# KiCad board redherring.kicad_pcb (continued)
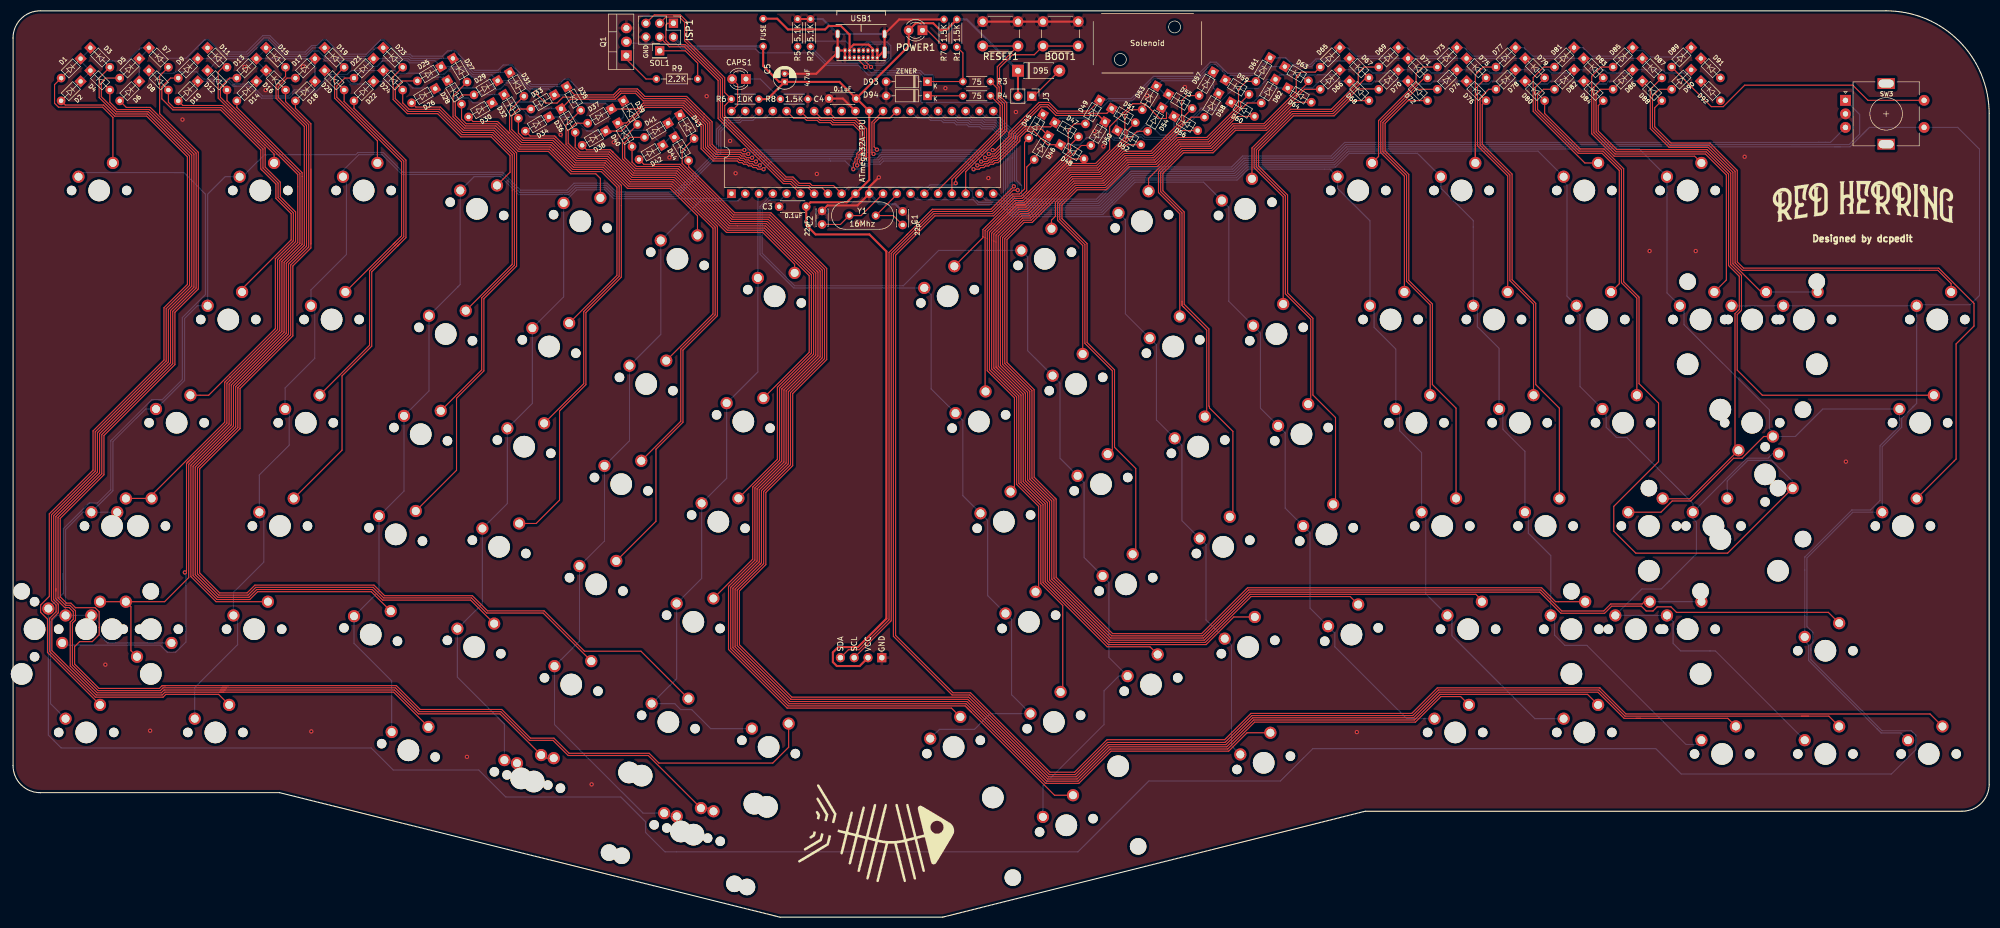
[diagram p0: board, top side]
## Nets
+5V: C3.1 C4.1 C5.1 D95.1 F1.1 ISP1.2 J2.2 J3.2 POWER1.2 R1.1 R6.1 U1.10 U1.30
GND: BOOT1.1 C1.1 C2.1 C3.2 C4.2 C5.2 D93.2 D94.2 ISP1.6 J2.1 Q1.3 R2.1 R5.1 R7.2 R8.2 RESET1.1 SW3.C U1.11 U1.31 USB1.A1 USB1.A12 USB1.B1 USB1.B12 USB1.S1
VCC: F1.2 USB1.A4 USB1.A9 USB1.B4 USB1.B9
boot: BOOT1.2 U1.18
CAPSLOCK: CAPS1.2 U1.40
COL0: MX101.1 MX201.1 MX301.1 MX401.1 MX401.125.1 MX501.1 MX501.175.1 MX501.225.1 MX601.1 U1.39
COL1: MX102.1 MX202.1 MX302.1 MX402.1 MX502.1 MX602.1 U1.38
COL2: MX103.1 MX203.1 MX303.1 MX403.1 MX503.1 MX603.1 U1.37
COL3: MX104.1 MX204.1 MX304.1 MX404.1 MX504.1 MX604.1 MX604.1.1 U1.1
COL4: MX105.1 MX205.1 MX305.1 MX405.1 MX505.1 MX605.1 MX605.225.1 U1.2
COL5: MX106.1 MX206.1 MX306.1 MX406.1 MX506.1 MX606.1 U1.3
COL6: MX107.1 MX207.1 MX307.1 MX407.1 MX507.1 MX607.1 U1.4
COL7: MX108.1 MX208.1 MX308.1 MX408.1 MX508.1 MX608.1 U1.5
COL8: MX109.1 MX209.1 MX309.1 MX409.1 MX509.1 MX609.1 U1.14
COL9: MX110.1 MX210.1 MX310.1 MX410.1 MX510.1 MX610.1 U1.15
COL10: MX111.1 MX211.1 MX311.1 MX411.1 MX511.1 MX611.1 U1.19
COL11: MX112.1 MX212.1 MX312.1 MX412.1 MX512.1 MX612.1 U1.20
COL12: MX113.1 MX213.1 MX313.1 MX413.1 MX413.225.1 MX513.1 MX513.225.1 MX613.1 U1.27
COL13: MX114.1 MX214.1 MX314.1 MX314.150.1 MX414.1 MX514.1 MX614.1 U1.26
COL14: MX215.1 MX215.2.1 MX315.1 MX415.1 MX615.1 SW3.S1 U1.25
D+: R4.1 U1.16
D-: R3.1 U1.17
EN1: SW3.A U1.24
EN2: SW3.B U1.21
MISO: ISP1.1 U1.7
MOSI: ISP1.4 U1.6
reset: ISP1.5 R6.2 RESET1.2 U1.9
ROW0: D11.1 D19.1 D23.1 D27.1 D31.1 D35.1 D49.1 D61.1 D65.1 D69.1 D73.1 D77.1 D81.1 D85.1 D89.1 U1.28
ROW1: D9.1 D21.1 D25.1 D29.1 D33.1 D37.1 D47.1 D59.1 D63.1 D67.1 D71.1 D75.1 D79.1 D83.1 D87.1 U1.34
ROW2: D8.1 D20.1 D24.1 D28.1 D32.1 D36.1 D50.1 D62.1 D66.1 D70.1 D74.1 D78.1 D82.1 D86.1 D90.1 U1.33
ROW3: D10.1 D22.1 D26.1 D30.1 D34.1 D38.1 D48.1 D60.1 D64.1 D68.1 D72.1 D76.1 D80.1 D84.1 D88.1 U1.36
ROW4: D12.1 D13.1 D14.1 D15.1 D16.1 D17.1 D18.1 D51.1 D52.1 D53.1 D54.1 D55.1 D56.1 D57.1 D58.1 U1.29
ROW5: D1.1 D2.1 D3.1 D4.1 D5.1 D6.1 D7.1 D39.1 D40.1 D41.1 D42.1 D43.1 D44.1 D45.1 D46.1 U1.35
SCK: ISP1.3 U1.8
SCL: J2.3 U1.22
SDA: J2.4 U1.23
Net-(C1-Pad2): C1.2 U1.13 Y1.1
Net-(C2-Pad2): C2.2 U1.12 Y1.2
Net-(CAPS1-Pad1): CAPS1.1 R8.1
Net-(D1-Pad2): D1.2 MX615.2
Net-(D2-Pad2): D2.2 MX601.2
Net-(D3-Pad2): D3.2 MX602.2
Net-(D4-Pad2): D4.2 MX604.2 MX604.1.2
Net-(D5-Pad2): D5.2 MX603.2
Net-(D6-Pad2): D6.2 MX605.2 MX605.225.2
Net-(D7-Pad2): D7.2 MX606.2
Net-(D8-Pad2): D8.2 MX301.2
Net-(D9-Pad2): D9.2 MX201.2
Net-(D10-Pad2): D10.2 MX401.2 MX401.125.2
Net-(D11-Pad2): D11.2 MX101.2
Net-(D12-Pad2): D12.2 MX501.2 MX501.175.2 MX501.225.2
Net-(D13-Pad2): D13.2
Net-(D14-Pad2): D14.2 MX502.2
Net-(D15-Pad2): D15.2 MX503.2
Net-(D16-Pad2): D16.2 MX505.2
Net-(D17-Pad2): D17.2 MX504.2
Net-(D18-Pad2): D18.2 MX506.2
Net-(D19-Pad2): D19.2 MX102.2
Net-(D20-Pad2): D20.2 MX302.2
Net-(D21-Pad2): D21.2 MX202.2
Net-(D22-Pad2): D22.2 MX402.2
Net-(D23-Pad2): D23.2 MX103.2
Net-(D24-Pad2): D24.2 MX303.2
Net-(D25-Pad2): D25.2 MX203.2
Net-(D26-Pad2): D26.2 MX403.2
Net-(D27-Pad2): D27.2 MX104.2
Net-(D28-Pad2): D28.2 MX304.2
Net-(D29-Pad2): D29.2 MX204.2
Net-(D30-Pad2): D30.2 MX404.2
Net-(D31-Pad2): D31.2 MX105.2
Net-(D32-Pad2): D32.2 MX305.2
Net-(D33-Pad2): D33.2 MX205.2
Net-(D34-Pad2): D34.2 MX405.2
Net-(D35-Pad2): D35.2 MX106.2
Net-(D36-Pad2): D36.2 MX306.2
Net-(D37-Pad2): D37.2 MX206.2
Net-(D38-Pad2): D38.2 MX406.2
Net-(D39-Pad2): D39.2 MX607.2
Net-(D40-Pad2): D40.2 MX609.2
Net-(D41-Pad2): D41.2 MX608.2
Net-(D42-Pad2): D42.2 MX610.2
Net-(D43-Pad2): D43.2 MX611.2
Net-(D44-Pad2): D44.2 MX612.2
Net-(D45-Pad2): D45.2 MX613.2
Net-(D46-Pad2): D46.2 MX614.2
Net-(D47-Pad2): D47.2 MX207.2
Net-(D48-Pad2): D48.2 MX407.2
Net-(D49-Pad2): D49.2 MX107.2
Net-(D50-Pad2): D50.2 MX307.2
Net-(D51-Pad2): D51.2 MX508.2
Net-(D52-Pad2): D52.2 MX510.2
Net-(D53-Pad2): D53.2 MX507.2
Net-(D54-Pad2): D54.2 MX509.2
Net-(D55-Pad2): D55.2 MX514.2
Net-(D56-Pad2): D56.2 MX512.2
Net-(D57-Pad2): D57.2 MX511.2
Net-(D58-Pad2): D58.2 MX513.2 MX513.225.2
Net-(D59-Pad2): D59.2 MX208.2
Net-(D60-Pad2): D60.2 MX408.2
Net-(D61-Pad2): D61.2 MX108.2
Net-(D62-Pad2): D62.2 MX308.2
Net-(D63-Pad2): D63.2 MX209.2
Net-(D64-Pad2): D64.2 MX409.2
Net-(D65-Pad2): D65.2 MX109.2
Net-(D66-Pad2): D66.2 MX309.2
Net-(D67-Pad2): D67.2 MX210.2
Net-(D68-Pad2): D68.2 MX410.2
Net-(D69-Pad2): D69.2 MX110.2
Net-(D70-Pad2): D70.2 MX310.2
Net-(D71-Pad2): D71.2 MX211.2
Net-(D72-Pad2): D72.2 MX411.2
Net-(D73-Pad2): D73.2 MX111.2
Net-(D74-Pad2): D74.2 MX311.2
Net-(D75-Pad2): D75.2 MX212.2
Net-(D76-Pad2): D76.2 MX412.2
Net-(D77-Pad2): D77.2 MX112.2
Net-(D78-Pad2): D78.2 MX312.2
Net-(D79-Pad2): D79.2 MX213.2
Net-(D80-Pad2): D80.2 MX413.2 MX413.225.2
Net-(D81-Pad2): D81.2 MX113.2
Net-(D82-Pad2): D82.2 MX313.2
Net-(D83-Pad2): D83.2 MX214.2
Net-(D84-Pad2): D84.2 MX414.2
Net-(D85-Pad2): D85.2 MX114.2
Net-(D86-Pad2): D86.2 MX314.2 MX314.150.2
Net-(D87-Pad2): D87.2 MX215.2 MX215.2.2
Net-(D88-Pad2): D88.2 MX415.2
Net-(D89-Pad2): D89.2 SW3.S2
Net-(D90-Pad2): D90.2 MX315.2
Net-(D93-Pad1): D93.1 R1.2 R3.2 USB1.A7 USB1.B7
Net-(D94-Pad1): D94.1 R4.2 USB1.A6 USB1.B6
Net-(D95-Pad2): D95.2 J3.1 Q1.2
Net-(POWER1-Pad1): POWER1.1 R7.1
Net-(Q1-Pad1): Q1.1 R9.1
Net-(R2-Pad2): R2.2 USB1.A5
Net-(R5-Pad2): R5.2 USB1.B5
Net-(R9-Pad2): R9.2 SOL1.1

Pads without a net: D91 1 2; D92 1 2; MX515 1 2; SW3 MP; U1 32; USB1 A8 B8

## Via types
v1: diameter 0.8, hole 0.4, Top to Bottom, 56 vias

## Routing (per net, layer and track width the routed paths; a pad name or vN(x,y) marks a point on that pad's centre or on a via; arc(x,y) is an arc through that point)
+5V: length 234.1
  Top w0.381: R6.1 139.1,150.97 C5.1 ; J2.2 156.1,46.34 151.89,46.34 151.16,47.07 151.16,48.85 152.15,49.84 155.79,49.84 161.02,55.08 161.02,122.86 157.9,125.99 147.97,125.99 146.25,127.71 C3.1 147.05,131.92 153.75,131.92 U1.10 157.87,136.04 U1.30 155.55,151.06 C4.1 ; C5.1 152.38,154.14 C4.1 ; C5.1 141.25,154.14 138.31,157.08 F1.1 ; C4.1 165.14,160.75 POWER1.2 166.43,164.96 169.68,164.96 170.94,163.69 172.05,163.69 R1.1 ; D95.1 J3.2
  Bottom w0.381: D95.1 185.29,156.22 175.85,165.67 R1.1 ; ISP1.2 123.49,160.69 F1.1 ; U1.10 155.96,132.88
GND: length 98.9
  Top w0.381: C4.2 153.01,151.06 U1.31 ; v1(159.64,136.51) 157.87,134.74 U1.11 155.71,131.34 150.18,131.34 C2.1 ; C5.2 148.1,155.64 USB1.S1 ; 151.82,163.2 USB1.S1 USB1.S1 ; USB1.S1 152.39,159.94 USB1.B1 153.39,158.62 USB1.A12 ; R5.1 R2.1 ; R7.2 163.39,165.67 USB1.S1 USB1.S1 160.32,159.59 USB1.A1 USB1.B12 ; BOOT1.1 BOOT1.1 RESET1.1 RESET1.1
  Bottom w0.381: U1.11 159.81,131.56 162.7,131.56 C1.1 ; 171.49,165.51 R7.2 ; USB1.S1 USB1.S1 ; USB1.S1 151.82,163.2 ; USB1.S1 149.28,165.74 R2.1
  vias: v1(17.02,46.6) v1(25.27,34.4) v1(31.24,147.18) v1(42.7,156.88) v1(46.56,152.62) v1(53.44,156.99) v1(54.99,34.28) v1(83.69,29.58) v1(100.97,144.39) v1(106.68,24.5) v1(110.74,142.99) v1(121.03,140.2) v1(127.89,151.5) v1(132.21,143.24) v1(133.22,137.28) v1(148.21,137.15) v1(156.34,128) v1(171.91,152.97) v1(179.83,136.39) v1(184.91,148.58) v1(191.26,140.45) v1(199.39,145.07) v1(201.04,142.23) v1(209.09,151.63) v1(216.08,153.18) v1(247.78,34.15) v1(301.75,122.92) v1(310.26,122.92) v1(319.28,140.32) v1(337.95,84.06)
VCC: length 28.8
  Top w0.381: USB1.A9 154.24,158.62 USB1.B4 ; USB1.A4 158.49,158.62 USB1.B9 158.49,160.27 157.94,160.83 157.93,160.83 157.73,161.02 154.99,161.02 154.24,160.27 USB1.B4 ; USB1.B4 154.24,162.87 152.65,164.45 150.37,164.45 149.73,163.82 142.88,163.82 140.9,165.79 F1.2
boot: length 43.1
  Top w0.203: U1.18 175.65,137.56 183.22,145.13 183.22,150.28 182.23,151.27 182.23,153.33 181.89,153.68 181.89,156.73 184.3,159.14 188.29,159.14 BOOT1.2 BOOT1.2
CAPSLOCK: length 6.8
  Top w0.203: U1.40 133.6,149.88 133.6,153.66 CAPS1.2
COL0: length 259.6
  Bottom w0.203: MX501.225.1 9.68,61.11 ; MX501.225.1 MX501.175.1 15.96,54.16 15.96,52.04 17.4,50.6 MX501.1 ; MX501.225.1 8.09,55.68 6.91,54.5 6.91,51.73 ; MX601.1 6.91,39.4 6.91,51.73 ; 66.97,141.11 66.65,141.11 ; 66.65,141.11 63.59,141.11 63.18,140.7 46.74,140.7 ; 66.65,141.11 68.25,141.11 71.88,137.48 71.88,137.46 71.9,137.45 90.25,137.45 ; 6.91,51.73 6.91,52.49 ; 90.87,136.83 90.25,137.45 ; 90.87,136.83 93.55,134.14 102.15,134.14 103.45,135.44 109.59,135.44 111.22,133.81 122.14,133.81 129.69,141.36 129.69,145.39 131.73,147.44 133.7,147.44 U1.39 ; 90.87,136.83 90.25,137.45 ; 46.35,140.7 46.74,140.7 ; 46.35,140.7 42.29,136.64 MX101.1 39.1,136.64 35.88,133.42 MX201.1 33.97,112.83 31.62,110.48 31.62,99.05 MX301.1 24.45,93.78 18.41,87.75 18.41,78.7 MX401.125.1 ; 46.35,140.7 46.74,140.7 ; 9.68,61.11 9.68,71.51 12.91,74.73 MX401.125.1 ; 9.68,61.11 9.68,60.44 ; 19.18,74.73 MX401.125.1
COL1: length 206.3
  Bottom w0.203: U1.38 136.24,147.44 134.27,147.44 133.87,147.03 131.9,147.03 130.09,145.23 130.09,141.19 122.3,133.4 111.06,133.4 109.43,135.03 103.61,135.03 102.32,133.74 93.39,133.74 90.08,137.04 71.73,137.04 68.07,140.7 63.75,140.7 60.83,137.78 MX102.1 61.47,136 61.47,122.29 54.93,115.75 MX202.1 55.63,112.13 55.63,103.11 50.16,97.65 MX302.1 50.93,93.02 50.93,87.11 45.4,81.59 MX402.1 46.23,73.9 46.23,65.52 40.64,59.93 MX502.1 41.4,54.92 41.4,50.28 33.5,42.37 MX602.1
COL2: length 181.3
  Bottom w0.203: 82.03,116.33 82.46,116.75 MX103.1 85,136.64 89.92,136.64 93.22,133.34 102.49,133.34 103.78,134.63 109.26,134.63 110.89,133 122.47,133 130.5,141.03 130.5,145.06 132.06,146.63 134.03,146.63 134.44,147.03 136.41,147.03 136.81,147.44 138.78,147.44 U1.37 ; 82.03,116.33 82.17,116.46 ; 82.03,116.33 MX203.1 76.7,97.12 MX303.1 72.09,78.63 MX403.1 67.48,60.15 MX503.1 62.87,50.53 69.81,43.58 MX603.1
COL3: length 150.1
  Bottom w0.203: U1.1 131.56,132.6 110.72,132.6 109.09,134.23 103.95,134.23 MX104.1 101.52,114.45 MX204.1 95.76,94.82 MX304.1 91.15,76.33 MX404.1 86.54,57.85 MX504.1 81.93,44.3 90.6,35.63 MX604.1.1 91.17,28.41 MX604.1
COL4: length 146.2
  Bottom w0.203: U1.2 133.7,132.19 126.74,132.19 MX105.1 119.43,107.53 MX205.1 113.66,87.9 MX305.1 109.06,69.41 MX405.1 104.45,50.93 MX505.1 99.84,35.53 116.17,19.2 MX605.225.1 120.64,18.61 MX605.1
COL5: length 122.7
  Bottom w0.203: MX606.1 128.64,34.79 125.13,38.31 123.09,38.31 122,39.4 MX506.1 122.36,44.01 MX406.1 126.96,62.49 MX306.1 131.57,80.98 MX206.1 137.33,100.62 MX106.1 137.33,133.29 U1.3
COL6: length 152.1
  Bottom w0.203: U1.4 137.74,131.15 137.74,122.32 143.94,116.12 MX107.1 169.29,114.84 169.29,97.49 MX207.1 175.13,91.65 175.13,77.77 MX307.1 179.71,73.2 179.71,59.33 MX407.1 184.11,54.92 184.11,41.04 MX507.1 180.19,37.56 177.29,34.66 170.82,34.66 MX607.1
COL7: length 187.1
  Bottom w0.203: MX608.1 189.9,24.28 201.17,35.55 201.17,41.77 203.87,44.48 MX508.1 202.06,47.93 202.06,61.8 MX408.1 197.49,66.37 197.49,80.25 MX308.1 193.04,84.69 193.04,98.57 MX208.1 187.07,104.54 187.07,121.88 MX108.1 170.67,123.04 164.16,116.52 144.11,116.52 138.14,122.49 138.14,130.98 139.48,132.32 141.45,132.32 141.59,132.46 ; 141.59,132.46 U1.5 ; 141.59,132.46 141.53,132.4
COL8: length 149.6
  Bottom w0.203: U1.14 166.59,132.4 177.02,132.4 177.91,131.52 181.91,131.52 184.16,129.27 203.15,129.27 MX109.1 205.11,128.68 205.11,111.33 MX209.1 210.82,105.62 210.82,91.74 MX309.1 215.52,87.04 215.52,73.17 MX409.1 219.96,68.72 219.96,54.85 MX509.1 224.66,50.15 224.66,31.65 MX609.1
COL9: length 177.4
  Bottom w0.203: 222.32,131.69 MX110.1 ; MX110.1 224.16,130.98 224.16,113.64 MX210.1 230,107.8 230,93.92 MX310.1 234.57,89.35 234.57,75.48 MX410.1 239.14,70.9 239.14,57.03 MX510.1 243.71,52.46 243.71,49.9 256.98,36.63 MX610.1 ; MX110.1 219.52,135.62 206.88,135.62 200.94,129.68 184.32,129.68 182.08,131.92 178.08,131.92 176.91,133.08 176.91,133.87 176.05,134.74 169.26,134.74 U1.15
COL10: length 192.6
  Bottom w0.203: 246.32,132.39 250.19,128.51 MX211.1 250.95,112.07 250.95,108.83 254.95,104.83 MX311.1 255.65,93.08 255.65,89.78 259.71,85.71 MX411.1 260.48,73.97 260.48,59.68 MX511.1 264.73,55.68 265.3,55.11 265.3,51.93 280.61,36.63 MX611.1 ; 246.32,132.39 244.22,134.48 MX111.1 242.82,138.04 227.71,138.04 225.7,136.03 206.72,136.03 202.6,131.91 ; 246.32,132.39 246,132.7 ; 202.6,131.91 200.77,130.08 184.49,130.08 182.25,132.32 179.37,132.32 U1.19 ; 202.6,131.91 202.78,132.09
COL11: length 220.6
  Bottom w0.203: 202.61,132.49 202.44,132.32 ; 202.44,132.32 200.6,130.48 184.66,130.48 183.55,131.59 ; 202.44,132.32 206.55,136.43 225.53,136.43 227.54,138.44 243.86,138.44 246.38,140.96 258.95,140.96 MX112.1 263.27,134.51 269.24,128.54 MX212.1 270,112.07 270,108.95 274,104.95 MX312.1 274.7,93.08 274.7,90.03 278.76,85.97 MX412.1 279.4,74.09 279.4,70.85 283.53,66.73 MX512.1 284.23,54.98 284.23,52.06 286.13,50.15 290.19,50.15 308.48,31.87 311.31,31.87 ; U1.20 181.64,133.5 183.55,131.59 ; 183.55,131.59 182.31,132.83
COL12: length 309.8
  Bottom w0.203: 186.22,130.89 184.82,130.89 182.62,133.09 182.62,143.43 180.58,145.48 178.61,145.48 178.2,145.88 176.23,145.88 175.89,146.23 173.92,146.23 173.51,146.63 171.54,146.63 171.15,147.02 169.18,147.02 168.77,147.44 166.8,147.44 U1.27 ; 186.22,130.89 185.17,130.89 ; 186.22,130.89 200.44,130.89 206.38,136.83 225.37,136.83 227.38,138.84 243.7,138.84 246.21,141.36 281.19,141.36 MX113.1 285.91,135.72 286.51,135.12 286.51,114.61 MX213.1 288.29,111.75 288.92,111.11 288.92,97.9 MX313.1 293.75,93.08 293.75,90.41 295.66,88.51 297.56,88.51 309.72,76.35 MX413.225.1 ; MX413.1 324.42,85.52 323.6,84.7 319.69,84.7 MX413.225.1 ; 305.37,62.03 310.39,67.04 310.39,72.89 309.72,73.55 MX413.225.1 ; 305.37,62.03 304.96,61.61 ; 305.37,62.03 303.91,60.57 300.32,60.57 MX513.225.1 MX513.1 306.08,54.55 306.08,50.52 307.47,49.14 312.8,49.14 ; MX613.1 313.88,49.14 312.8,49.14 ; 313.09,49.14 312.8,49.14
COL13: length 352.3
  Top w0.203: MX314.1 303.85,74.73 305.92,76.8 309.35,76.8 317.24,84.7 318.79,84.7 322.79,88.7 MX314.150.1
  Bottom w0.203: 347.62,93.78 333.69,93.78 328.61,88.7 MX314.150.1 324.48,89.52 323.85,90.16 323.85,93.59 308.1,109.33 308.1,112.07 MX214.1 304.96,115.21 MX114.1 299.83,141.76 246.05,141.76 243.53,139.25 227.21,139.25 225.2,137.24 206.21,137.24 205.98,137 200.27,131.29 184.99,131.29 183.02,133.26 183.02,139.93 ; MX414.1 347.82,90.57 344.24,86.99 344.24,76.9 342.48,75.13 339.05,75.13 330.36,66.44 MX514.1 330.36,50.92 331.09,50.18 331.09,47.36 343.66,34.79 ; 183.02,139.93 183.02,139.49 ; 183.02,139.93 183.02,143.6 180.74,145.88 178.77,145.88 178.37,146.28 176.4,146.28 176.05,146.63 174.08,146.63 173.68,147.03 171.71,147.03 171.32,147.43 169.35,147.43 U1.26 ; 343.66,34.79 344.45,34 ; 343.66,34.79 344.45,34 ; 344.45,34 348.07,34 MX614.1
COL14: length 902.8
  Bottom w0.203: MX615.1 12.83,137.4 29.72,137.4 ; 341.1,144.56 342.28,145.74 SW3.S1 358.57,145.74 362.58,141.72 362.58,114.73 360.88,113.02 351.19,113.02 MX315.1 351,94.83 350.33,94.16 ; 341.1,144.56 338.71,142.17 335.85,142.17 ; 341.1,144.56 341.79,145.25 ; 331.49,49.54 331.49,49.24 ; 331.49,49.24 331.49,47.53 344.61,34.4 350.01,34.4 350.84,33.58 350.84,30.91 346.33,26.4 307.59,26.4 302.89,31.1 239.65,31.1 233.68,25.13 209.42,25.13 196.34,12.05 120.21,12.05 116.63,15.63 116.63,17.6 112.05,22.18 90.84,22.18 85.85,27.17 70.1,27.17 66.04,31.23 8.89,31.23 6.51,33.61 6.51,56.95 9.27,59.71 9.27,63.47 9.28,63.48 ; 331.49,49.24 331.49,50.3 331.85,50.66 331.85,52.57 330.76,53.66 330.76,66.27 339.22,74.73 MX415.1 344.65,86.82 348.23,90.41 348.23,92.06 350.33,94.16 ; 9.28,62.1 9.28,63.48 ; 9.28,63.48 9.28,71.67 14.05,76.44 15.59,76.44 18.01,78.86 18.01,87.91 25.59,95.49 27.5,95.49 31.22,99.22 31.22,110.65 35.47,114.9 35.47,133.42 31.5,137.4 29.72,137.4 ; 350.33,94.16 350.6,94.43 ; 336.93,142.17 335.85,142.17 ; 335.85,142.17 245.88,142.17 243.36,139.65 227.38,139.65 227.04,139.65 225.03,137.64 206.05,137.64 200.1,131.69 185.16,131.69 183.43,133.42 183.43,140.49 ; 183.43,140.49 183.43,139.65 ; 183.43,140.49 183.43,143.77 180.91,146.28 178.94,146.28 178.54,146.68 176.57,146.68 176.22,147.03 174.25,147.03 173.85,147.44 171.88,147.44 U1.25 ; MX215.2.1 MX215.1 350.6,112.83 350.9,113.13 ; 29.72,137.4 30.86,137.4
D+: length 23.5
  Top w0.203: U1.16 170.57,134.19 182.01,145.64 181.99,145.66 181.99,149.8 R4.1
D-: length 25.5
  Top w0.203: R3.1 181.43,153 181.43,150.93 182.42,149.95 182.42,145.47 173.11,136.16 U1.17
EN1: length 194.2
  Bottom w0.203: 328,142.57 245.71,142.57 243.19,140.05 226.88,140.05 224.87,138.04 205.88,138.04 199.93,132.1 185.32,132.1 183.83,133.59 183.83,143.93 181.08,146.68 179.11,146.68 178.71,147.09 176.74,147.09 176.39,147.44 174.42,147.44 U1.24 ; 328,142.57 338.54,142.57 340.49,144.51 340.49,148.12 SW3.A ; 328,142.57 329.39,142.57
EN2: length 178.1
  Bottom w0.203: U1.21 185.04,144.43 185.04,135.96 185.96,135.04 185.96,134 ; 332.85,142.97 334.8,142.97 ; 332.85,142.97 245.54,142.97 243.03,140.46 226.71,140.46 224.7,138.45 205.71,138.45 199.77,132.5 186.95,132.5 185.96,133.49 185.96,134 ; 332.85,142.97 335.11,142.97 SW3.B ; 185.96,134.91 185.96,134
MISO: length 47.5
  Top w0.203: ISP1.1 120.72,164.96 120.38,164.62 120.38,161.8 121.16,161.02 123.96,161.02 130.41,154.57 130.41,147.56 142.2,135.77 143.47,135.77 144.64,134.61 146.61,134.61 U1.7
MOSI: length 42
  Top w0.203: U1.6 143.3,135.37 142.03,135.37 130,147.4 130,154.41 123.79,160.62 120.99,160.62 119.23,162.38 ISP1.4
reset: length 117.1
  Top w0.203: ISP1.5 118.24,166.51 123.03,166.51 124.23,165.31 124.23,161.89 131.21,154.9 131.21,152.19 R6.2 131.21,149.74 131.21,147.9 142.53,136.58 143.8,136.58 144.97,135.41 146.94,135.41 147.34,135.01 151.28,135.01 U1.9 ; RESET1.2 RESET1.2 181.48,156.95 181.48,153.51 181.83,153.17 181.83,151.1 182.82,150.11 182.82,145.3 173.81,136.29 v1(173.81,135.44)
  Bottom w0.203: v1(173.81,135.44) 173.8,135.44 173.5,135.14 169.09,135.14 168.67,134.72 168.66,134.74 154.02,134.74 U1.9
ROW0: length 320.2
  Top w0.203: v1(159.28,141.63) 158.76,142.15 158.76,146.53 159.67,147.44 161.64,147.44 U1.28 ; v1(180.63,141.55) 181.1,141.55 183.63,144.08 183.63,144.82 189.15,150.35 191.03,150.35 192.63,148.75 198.36,148.75 D49.1 ; D35.1 103.56,151.74 110.7,151.74 111.8,152.84 115.11,152.84 116.5,151.45 124.2,151.45 128.89,146.76 128.89,142.62 129.95,141.56 v1(134.84,141.56)
  Bottom w0.203: 134.85,141.55 v1(134.84,141.56) 159.21,141.56 v1(159.28,141.63) 159.36,141.55 v1(180.63,141.55) 180.62,141.56 ; D35.1 95.41,153.25 92.8,155.86 D31.1 84.94,155.86 82.32,158.47 D27.1 73.43,158.47 73.06,158.84 69.85,158.84 D23.1 66.9,160.43 65.3,158.84 59.05,158.84 D19.1 55.23,160.43 54.03,159.24 50.23,159.24 47.2,162.27 46.23,162.27 43.2,159.24 37.05,159.24 D11.1 ; D49.1 201.55,150.74 201.85,151.04 206.14,151.04 210.26,155.16 218.13,155.16 220.74,157.77 221.87,157.77 223.91,155.73 228.94,155.73 D61.1 234.66,158.58 235.89,157.36 239.22,157.36 240.25,158.38 242.53,158.38 D65.1 246.05,160.47 247.65,158.87 253.82,158.87 D69.1 256.98,160.47 258.57,158.87 264.62,158.87 D73.1 267.57,160.47 269.17,158.87 275.42,158.87 D77.1 278.57,160.47 280.16,158.87 286.22,158.87 D81.1 289.49,160.47 291.08,158.87 297.02,158.87 D85.1 299.18,159.9 300.54,159.9 301.7,158.74 307.68,158.74 D89.1
ROW1: length 312.2
  Top w0.203: D47.1 191.32,145.85 186.46,145.85 184.83,144.22 184.83,143.58 181.3,140.04 180.73,140.04 180.42,139.74 179.85,139.74 179.55,139.43 v1(178.51,139.43) ; U1.34 149.02,147.44 150.99,147.44 151.39,147.03 155.28,147.03 156.97,145.34 156.97,141.13 156.38,140.54 156.38,139.48 v1(156.35,139.45) ; v1(136.97,139.44) 135.93,139.44 135.63,139.74 135.05,139.74 134.75,140.05 134.18,140.05 133.88,140.35 129.45,140.35 127.68,142.12 127.68,146.26 127.26,146.68 123.7,150.24 116.22,150.24 115.11,149.13 D37.1
  Bottom w0.203: D87.1 D83.1 D79.1 D75.1 D71.1 D67.1 245.92,157.98 240.41,157.98 239.39,156.95 D63.1 231.64,156.95 230.01,155.33 224.4,155.33 D59.1 223.53,155.54 221.71,157.37 220.91,157.37 218.3,154.75 210.43,154.75 206.31,150.63 202.04,150.63 198.9,147.49 192.96,147.49 D47.1 ; D33.1 101.75,151.74 103.26,150.23 109.2,150.23 D37.1 ; D33.1 98.72,152.85 95.25,152.85 93.74,154.36 D29.1 88.25,155.46 84.77,155.46 83.3,156.93 D25.1 77.76,158.07 73.26,158.07 72.9,158.43 D21.1 57.72,158.43 56.28,159.87 55.23,159.87 54.2,158.84 50.07,158.84 47.04,161.87 46.4,161.87 43.37,158.84 37.89,158.84 37.48,158.43 D9.1 ; D33.1 101.16,151.74 ; 178.5,139.44 v1(178.51,139.43) 177.6,140.34 160.17,140.34 159.58,139.75 157.71,139.75 157.41,139.45 v1(156.35,139.45) 155.44,140.35 137.88,140.35 v1(136.97,139.44)
ROW2: length 334.9
  Top w0.203: 127.23,147.28 127.35,147.15 ; 127.23,147.28 123.86,150.64 116.17,150.64 114.78,152.04 112.13,152.04 111.03,150.94 102.8,150.94 D36.1 ; 127.23,147.28 128.08,146.43 128.08,142.29 129.62,140.76 134.04,140.76 134.35,140.45 134.92,140.45 135.22,140.15 v1(136.26,140.15) ; v1(179.22,140.14) 180.26,140.14 180.56,140.44 181.13,140.44 184.43,143.74 184.43,144.45 189.52,149.54 190.7,149.54 192.3,147.94 200.16,147.94 D50.1 200.29,147.82 ; U1.33 151.56,147.44 155.45,147.44 157.38,145.5 157.38,140.45 v1(157.08,140.15)
  Bottom w0.203: D36.1 97.06,149.17 95.82,150.41 91.94,150.41 D32.1 86.45,151.79 86.1,152.14 86.1,152.27 85.34,153.02 81.46,153.02 D28.1 79.48,155 77.13,155 76.39,155.74 70.91,155.74 70.42,156.23 D24.1 62.38,156.23 61.65,155.5 58.19,155.5 D20.1 57.45,154.47 55.65,152.67 51.87,152.67 50.74,151.54 45.99,151.54 43.8,153.73 41.48,153.73 ; D90.1 308.82,155.78 304.74,155.78 304.14,156.37 D86.1 298.02,155.78 293.94,155.78 293.34,156.37 D82.1 287.22,155.78 283.7,155.78 283.1,156.37 D78.1 276.42,155.78 272.34,155.78 271.74,156.37 D74.1 265.62,155.78 261.54,155.78 260.94,156.37 D70.1 254.82,155.78 250.74,155.78 250.14,156.37 D66.1 243.69,155.44 233.62,155.44 D62.1 231.18,154.6 229.52,152.95 225.06,152.95 221.41,149.29 219.07,149.29 213.7,143.92 208.68,143.92 208.21,144.39 204.62,144.39 203.99,143.76 203.19,143.76 201.34,145.61 D50.1 ; v1(136.26,140.15) 136.87,140.76 156.47,140.76 v1(157.08,140.15) 159.41,140.15 160.01,140.75 178.61,140.75 v1(179.22,140.14) ; D8.1 25.55,155.74 29.73,155.74 29.99,156 33.85,156 35.22,154.64 39.84,154.64 40.74,153.73 ; 40.74,153.73 41.48,153.73 ; 40.74,153.73 41.48,153.73
ROW3: length 320.5
  Top w0.203: v1(177.1,138.02) 178.14,138.02 178.44,138.32 179.01,138.32 179.31,138.63 179.88,138.63 180.19,138.93 180.76,138.93 181.06,139.23 181.63,139.23 182.04,139.64 185.64,143.24 185.64,143.88 186.8,145.04 188.23,145.04 190.73,142.55 D48.1 ; v1(138.38,138.03) 137.34,138.03 137.04,138.33 136.47,138.33 136.17,138.63 135.6,138.63 135.29,138.94 134.72,138.94 134.42,139.24 133.85,139.24 133.54,139.55 129.12,139.55 126.87,141.79 126.87,145.92 123.36,149.44 116.55,149.44 112.17,145.06 D38.1 ; U1.36 143.94,147.44 145.91,147.44 146.31,147.03 148.28,147.03 148.68,146.63 150.65,146.63 151.06,146.23 154.94,146.23 156.17,145 156.17,141.47 155.57,140.87 155.57,140.28 155.24,139.95 155.24,139.37 154.93,139.06 v1(154.93,138.03)
  Bottom w0.203: 40.57,153.33 39.67,154.23 D10.1 ; 40.57,153.33 41.15,153.33 ; 40.57,153.33 41.15,153.33 ; 177.09,138.03 v1(177.1,138.02) 175.58,139.54 160.51,139.54 159.91,138.94 158.05,138.94 157.75,138.64 157.15,138.64 156.84,138.33 156.28,138.33 155.98,138.03 v1(154.93,138.03) 153.41,139.55 150.74,139.55 150.73,139.54 139.89,139.54 v1(138.38,138.03) ; D48.1 193.14,142.52 196.6,142.52 197.95,143.88 202.51,143.88 203.03,143.36 204.16,143.36 204.78,143.98 208.04,143.98 208.51,143.51 213.86,143.51 219.24,148.89 223.06,148.89 D60.1 228.67,150.39 231.29,153 D64.1 239.62,153 240.89,154.27 D68.1 246.91,153.78 250.53,153.78 251.03,154.27 D72.1 257.71,153.78 261.33,153.78 261.83,154.27 D76.1 268.51,153.78 272.13,153.78 272.63,154.27 D80.1 279.31,153.78 282.93,153.78 283.43,154.27 D84.1 290.11,153.78 293.73,153.78 294.23,154.27 D88.1 ; 41.15,153.33 43.63,153.33 45.83,151.14 50.91,151.14 52.03,152.26 55.82,152.26 58.65,155.1 60.98,155.1 62.34,153.74 65.96,153.74 D22.1 72.42,154.23 73.65,153 77.75,153 D26.1 79.6,151.15 83.96,151.15 84.82,150.28 D30.1 88.91,149.7 93.27,149.7 95.3,147.67 D34.1 103.23,147.67 105.84,145.06 D38.1
ROW4: length 254.2
  Top w0.203: v1(179.93,140.85) 180.96,140.85 184.03,143.91 184.03,144.62 189.35,149.94 190.87,149.94 192.46,148.35 201.69,148.35 D51.1 ; U1.29 158.36,146.7 158.36,141.15 v1(158.66,140.85) ; v1(96.27,152.14) 98.18,150.23 100.29,150.23 101.4,151.34 110.87,151.34 111.97,152.44 114.95,152.44 116.34,151.05 124.03,151.05 128.49,146.59 128.49,142.46 129.78,141.16 134.21,141.16 134.52,140.85 v1(135.55,140.85)
  Bottom w0.203: D12.1 38.05,158.43 D13.1 ; 84.21,155.45 84.6,155.06 ; 84.21,155.45 84.6,155.06 ; 84.21,155.45 83.13,156.53 81.59,156.53 ; 84.6,155.06 86.74,155.06 89.03,152.77 89.74,152.77 90.93,153.95 93.57,153.95 95.38,152.14 v1(96.27,152.14) ; D13.1 D17.1 ; D13.1 46.65,160.23 D15.1 ; D13.1 44.86,158.03 D16.1 46.65,156.03 D14.1 ; D17.1 57.15,158.43 57.55,158.03 64.84,158.03 65.87,157 67.1,157 68.13,158.03 72.73,158.03 73.09,157.67 76.37,157.67 78.5,155.53 79.41,155.53 80.41,156.53 81.59,156.53 ; D17.1 D18.1 ; 81.59,156.53 81.9,156.53 ; 179.92,140.85 v1(179.93,140.85) 179.93,140.86 179.64,141.15 159.84,141.15 159.54,140.85 v1(158.66,140.85) 158.35,141.16 135.84,141.16 135.55,140.87 v1(135.55,140.85) ; D58.1 221.31,152.98 D57.1 220.08,155.97 218.46,154.35 211.83,154.35 D53.1 212.34,151.85 D55.1 213.06,150.61 D54.1 213.42,147.77 D56.1 214.07,144.86 213.53,144.32 211.53,144.32 209.73,146.12 208.68,146.12 207.35,144.79 204.9,144.79 204.53,145.16 D52.1 203.59,148.22 D51.1
ROW5: length 272.9
  Top w0.203: D46.1 189.63,145.44 186.63,145.44 185.24,144.05 185.24,143.41 181.47,139.64 180.9,139.64 180.59,139.33 180.02,139.33 179.72,139.03 179.15,139.03 178.84,138.73 v1(177.8,138.73) ; v1(155.64,138.73) 155.65,138.73 155.65,139.78 155.97,140.11 155.97,140.7 156.57,141.3 156.57,145.17 155.11,146.63 151.22,146.63 150.82,147.03 148.85,147.03 148.45,147.44 146.48,147.44 U1.35 ; D40.1 113.11,146.56 116.39,149.84 123.53,149.84 127.28,146.09 127.28,141.96 129.28,139.95 133.71,139.95 134.02,139.64 134.58,139.64 134.88,139.34 135.46,139.34 135.76,139.04 136.33,139.04 136.64,138.73 v1(137.67,138.73)
  Bottom w0.203: D46.1 189.92,145.15 D45.1 ; 177.8,138.73 v1(177.8,138.73) 176.59,139.94 160.34,139.94 159.74,139.34 157.88,139.34 157.58,139.04 156.98,139.04 156.67,138.73 v1(155.64,138.73) 154.43,139.95 150.5,139.95 150.5,139.94 138.88,139.94 v1(137.67,138.73) ; 58.81,160.84 58.4,161.25 ; 58.4,161.25 60.41,159.24 65.13,159.24 67.76,161.87 68.38,161.87 71,159.24 73.23,159.24 73.59,158.88 79.15,158.88 80.15,159.87 81.49,159.87 85.1,156.27 89.4,156.27 90.4,157.26 91.97,157.26 95.58,153.65 100.66,153.65 101.65,154.65 102.45,154.65 106.46,150.64 D39.1 112.53,147.58 D40.1 112.9,145.18 117.03,145.18 D42.1 121.29,143.96 D44.1 121.95,145.36 D41.1 122.3,148.04 D43.1 ; 58.4,161.25 57.74,161.91 57.15,161.91 56.07,160.84 55.06,160.84 53.86,159.64 50.4,159.64 47.37,162.67 46.07,162.67 43.04,159.64 38.34,159.64 36.07,161.91 35.31,161.91 31.9,158.5 26.99,158.5 D7.1 ; D7.1 23.58,160.43 21.15,158 16.69,158 D3.1 14.25,160.23 D1.1 12.46,158.03 D4.1 14.25,156.03 D2.1 ; D7.1 25.05,160.23 D5.1 D6.1
SCK: length 51.1
  Top w0.203: ISP1.3 120.38,166.11 122.86,166.11 123.83,165.14 123.83,161.72 130.81,154.74 130.81,147.73 142.36,136.18 143.64,136.18 144.8,135.01 146.77,135.01 147.18,134.61 149.15,134.61 U1.8
SCL: length 124.9
  Top w0.203: v1(185.24,134.15) 184.39,134.15 180.46,130.22 169.65,130.22 161.92,122.49 161.92,54.71 J2.3
  Bottom w0.203: 184.64,140.81 184.64,140.16 ; 184.64,140.81 184.64,144.27 181.41,147.49 179.44,147.49 U1.22 ; 184.64,140.81 184.64,135.8 185.23,135.2 185.23,134.16 v1(185.24,134.15)
SDA: length 128
  Top w0.203: J2.4 154.02,49.35 155.99,49.35 161.52,54.87 161.52,122.66 164.78,125.92 ; 164.78,125.92 164.96,126.1 ; 164.78,125.92 169.49,130.63 180.3,130.63 v1(184.53,134.86)
  Bottom w0.203: v1(184.53,134.86) 184.23,135.16 184.23,140.15 ; 184.23,140.15 184.23,139.99 ; 184.23,140.15 184.23,144.1 181.25,147.09 179.28,147.09 178.87,147.49 176.9,147.49 U1.23
Net-(C1-Pad2): length 11.3
  Top w0.203: C1.2 162.29,129.47 Y1.1 162.95,133.35 U1.13
Net-(C2-Pad2): length 13.6
  Top w0.203: U1.12 156.38,129.47 Y1.2 152.55,127.83 C2.2
Net-(CAPS1-Pad1): length 7.9
  Bottom w0.203: R8.1 137.77,154.67 CAPS1.1
Net-(D1-Pad2): length 25.4
  Top w0.203: MX615.2 18.41,147.56 16.51,149.47 8.38,149.47 7.65,150.2 7.65,153.63 D1.2
Net-(D2-Pad2): length 144.5
  Top w0.203: D2.2 8.86,150.64 9.63,149.87 16.68,149.87 18.73,147.82 24.64,147.82 32.15,140.31 32.15,116.77 27.83,112.46 27.83,102.8 14.75,89.72 14.75,82.48 6.68,74.42 6.68,59.19 5.08,57.59 5.08,56.26 6.35,54.99 6.35,48.85 MX601.2
Net-(D3-Pad2): length 168
  Top w0.203: MX602.2 37.9,41.11 28.17,41.11 27.65,40.59 15.18,40.59 6.75,49.02 6.75,55.16 7.94,56.34 7.94,57.58 7.09,58.43 7.09,74.25 15.15,82.32 15.15,89.56 28.23,102.64 28.23,112.29 32.55,116.61 32.55,140.47 24.81,148.22 18.9,148.22 15.88,151.25 15.88,154.87 D3.2
Net-(D4-Pad2): length 226.7
  Top w0.203: D4.2 17.84,150.42 19.23,149.03 24.52,149.03 25.14,149.03 33.36,140.81 33.36,116.27 29.04,111.96 29.04,102.3 15.96,89.22 15.96,81.98 7.89,73.92 7.89,60.59 ; MX604.2 97.95,29.34 MX604.1.2 89.77,37.52 74.74,37.52 70.34,41.92 39.09,41.92 ; 7.89,60.59 7.89,60.17 ; 7.89,60.59 7.89,58.77 9.52,57.14 10.33,57.14 11.11,56.36 11.11,54.99 10.54,54.42 10.54,46.37 15.51,41.4 27.32,41.4 27.84,41.92 39.09,41.92 ; 39.09,41.92 38.23,41.92
Net-(D5-Pad2): length 206.8
  Top w0.203: D5.2 17.06,154.84 16.28,154.06 16.28,151.41 19.07,148.62 24.68,148.62 24.97,148.62 32.95,140.64 32.95,116.44 28.64,112.12 28.64,102.47 15.55,89.39 15.55,82.15 7.49,74.09 7.49,58.6 8.34,57.75 8.34,56.18 7.16,54.99 7.16,49.19 15.34,41 27.49,41 28,41.52 38.86,41.52 ; MX603.2 70.18,41.52 38.86,41.52 ; 38.86,41.52 38.07,41.52
Net-(D6-Pad2): length 255.9
  Top w0.203: MX605.2 128.57,20.12 MX605.225.2 117.13,29.83 102.36,29.83 99.57,32.63 95.23,32.63 89.94,37.92 74.91,37.92 70.51,42.32 39.33,42.32 ; 39.33,42.32 27.67,42.32 27.15,41.8 15.68,41.8 10.94,46.54 10.94,54.26 11.51,54.83 11.51,56.53 10.5,57.54 9.69,57.54 8.3,58.93 8.3,73.75 16.36,81.82 16.36,89.06 29.44,102.14 29.44,111.79 33.76,116.11 33.76,140.98 25.31,149.43 24.6,149.43 20.88,149.43 D6.2 ; 39.33,42.32 38.4,42.32
